# Altium PCB UmTRXv21.PcbDoc (part 15 of 19) (continued)
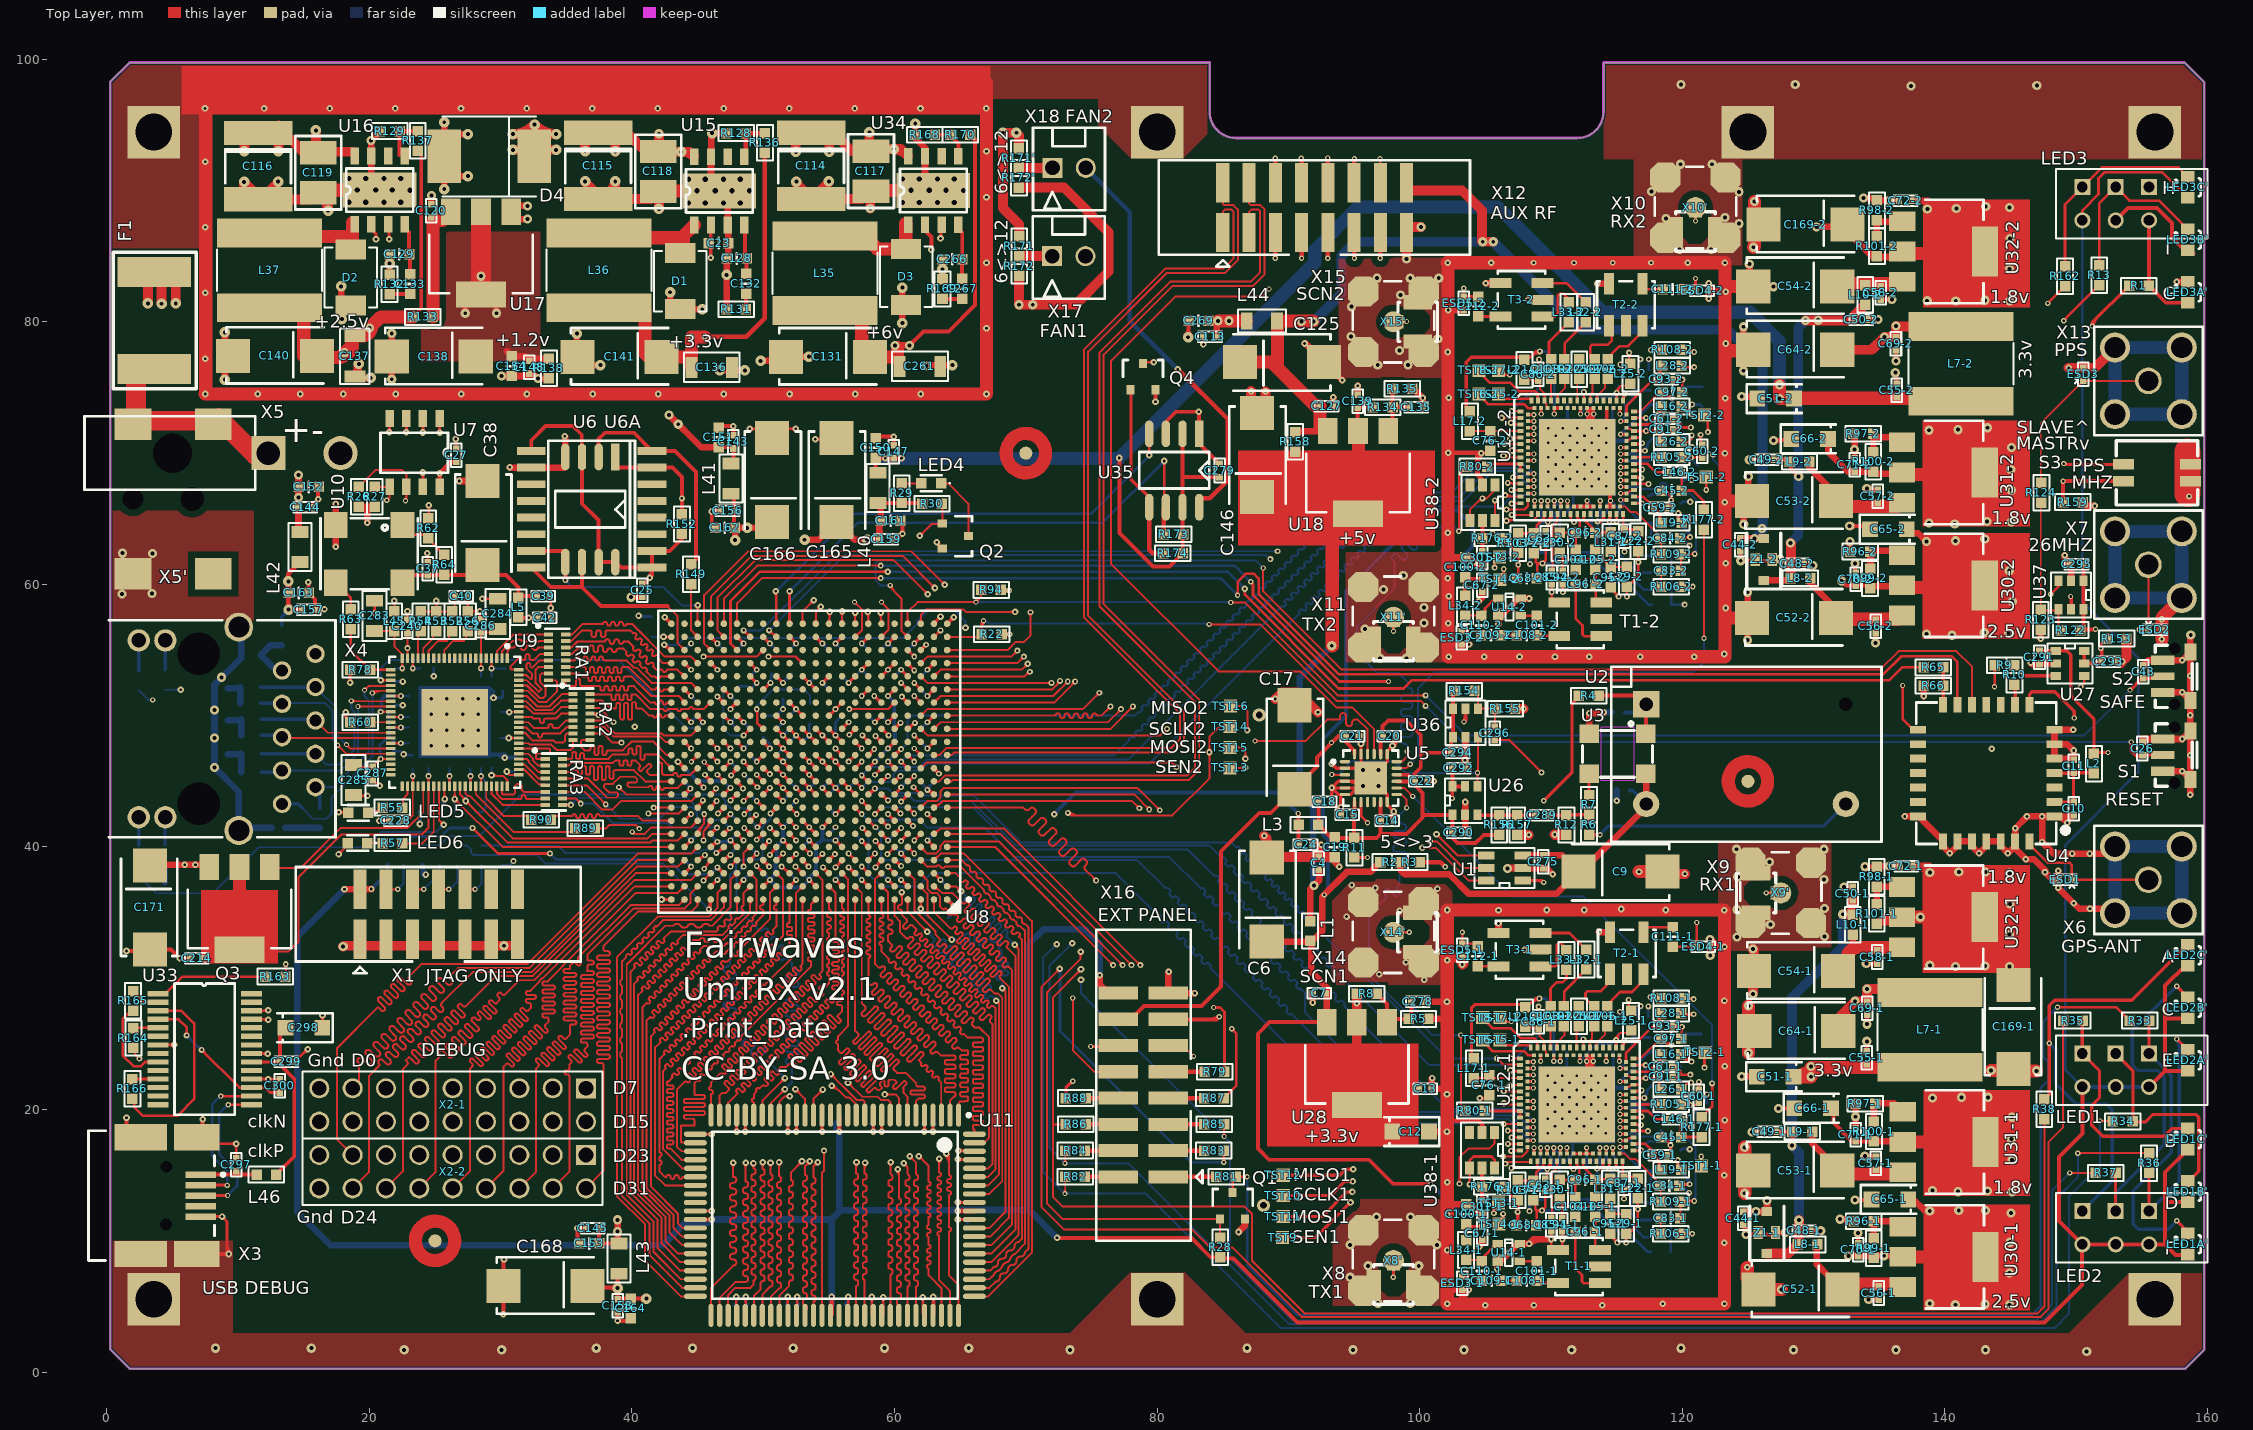
[diagram p0: Top Layer view]
## Nets (pads, with @x,y where several pads share a name; then routed paths per layer and width w, separated by ;. In a path a pad name is that pad's centre, name@x,y a point inside that pad or via, vN(x,y) a via of type N, cw(c..) or ccw(c..) an arc to the next point about the centre after c; other vN are vias at no path point) (continued)
RX1D11: U8.N7 U12-1.2 | length 67
  Top Layer w0.15: v1@57.55,48.35 cw(c57.55,48.108) 57.721,48.279 ; v1(57.55,48.5) 57.5,48.5 57.55,48.45 U8.N7@58,48 ; v1@57.7,48.404 ccw(c58.114,48.643) U8.N7@58.03,48.172 ; v1@57.7,48.5 ccw(c58.182,48.5) U8.N7@57.841,48.159 ; 57.809,48.215 cw(c57.615,48.103) U8.N7@57.831,48.045 ; U8.N7@57.825,48 ccw(c57.403,48) 57.701,48.299 ccw(c58,48.597) U8.N7@58,48.175
  Top Layer w0.2: U12-1.2@108.207,23.638 v4@108.632,23.638 ; v4@108.586,23.567 ccw(c108.416,23.397) 108.416,23.638 ccw(c108.416,23.879) v4@108.586,23.709
  MidLayer1 w0.15: v1@57.55,48.35 cw(c57.55,48.108) 57.721,48.279 ; v1(57.55,48.5) 57.5,48.5 57.95,48.05 57.95,47.25 58.275,46.925 58.676,46.925 58.925,46.676 58.925,46.275 59.125,46.075 62.071,46.075 62.246,46.25 62.493,46.25 62.743,46.5 80.157,46.5 81.957,44.7 86.253,44.7 103.253,27.7 104.595,27.7 v4(108.657,23.638) ; v1@57.7,48.5 ccw(c58.182,48.5) 57.841,48.159 ; v4@108.532,23.638 ccw(c108.23,23.638) 108.444,23.851 ccw(c108.657,24.065) v4@108.657,23.763
RX1IQSEL: U8.J4 U12-1.16 | length 65.6
  Top Layer w0.15: v1(60.5,43.45) 60.5,43.5 U8.J4@61,44 ; v1@60.5,43.6 ccw(c60.5,43.841) 60.671,43.671 ; v1@60.644,43.537 cw(c61.179,43.228) U8.J4@61.04,43.83 ; v1@60.65,43.45 cw(c61.133,43.45) 60.791,43.791 ; 60.769,43.753 cw(c60.913,43.67) U8.J4@60.955,43.831 ; U8.J4@60.825,44 cw(c60.403,44) 60.701,43.701 cw(c61,43.403) U8.J4@61,43.825
  Top Layer w0.2: U12-1.16@108.207,20.138 v4@108.632,20.138 ; v4@108.586,20.067 ccw(c108.416,19.897) 108.416,20.138 ccw(c108.416,20.379) v4@108.586,20.209
  MidLayer1 w0.15: v1(60.5,43.45) 60.5,43.4 60.675,43.225 61.963,43.225 62.013,43.175 71.87,43.175 76.375,43.175 79.45,40.1 81.9,40.1 82.25,39.75 cw(c82.343,39.525) 82.568,39.432 ccw(c82.794,39.339) 82.886,39.114 cw(c82.979,38.888) 83.205,38.795 ccw(c83.43,38.703) 83.523,38.477 cw(c83.616,38.252) 83.841,38.159 ccw(c84.066,38.066) 84.159,37.841 cw(c84.252,37.615) 84.477,37.523 ccw(c84.703,37.43) 84.796,37.204 cw(c84.888,36.979) 85.114,36.886 ccw(c85.339,36.793) 85.432,36.568 cw(c85.525,36.343) 85.75,36.25 ccw(c85.976,36.157) 86.068,35.932 cw(c86.161,35.706) 86.387,35.613 ccw(c86.612,35.521) 86.705,35.295 cw(c86.798,35.07) 87.023,34.977 ccw(c87.248,34.884) 87.341,34.659 cw(c87.434,34.433) 87.659,34.341 ccw(c87.885,34.248) 87.978,34.022 cw(c88.07,33.797) 88.296,33.704 ccw(c88.521,33.611) 88.614,33.386 cw(c88.707,33.161) 88.932,33.068 ccw(c89.158,32.975) 89.25,32.75 cw(c89.343,32.524) 89.569,32.431 ccw(c89.794,32.339) 89.887,32.113 cw(c89.98,31.888) 90.205,31.795 102.699,19.301 107.016,19.301 107.853,20.138 v4(108.657,20.138) ; v4@108.569,20.05 ccw(c108.355,19.836) 108.355,20.138 ccw(c108.355,20.44) v4@108.569,20.226
RX2D0: U8.T2 U12-2.15 | length 66.5
  Top Layer w0.15: U8.T2@63,51 63.5,51.5 72.1,51.5 73.2,52.6 v1(73.192,52.608) ; U8.T2@63,51.175 ccw(c63,51.597) 63.299,51.299 ccw(c63.597,51) U8.T2@63.175,51 ; 72.925,52.325 ccw(c72.642,52.608) v1@73.042,52.608 ; 72.963,52.363 cw(c73.192,52.134) v1@73.192,52.458 ; v2(106.38,69.803) 106.504,69.68 U12-2.15@107.671,69.68 ; v2@106.398,69.821 ccw(c106.739,70.162) 106.739,69.68 ; v2@106.504,69.927 ccw(c107.101,70.524) 107.101,69.68
  MidLayer1 w0.15: v1(73.192,52.608) v1@73.2,52.6 ; v1@73.192,52.758 ccw(c73.192,52.916) 73.304,52.804 ; v1@73.2,52.6 73.15,52.65 73.5,53 74.4,53 76.01,54.61 ccw(c75.96,54.659) 76.01,54.709 cw(c76.137,54.836) 76.01,54.963 76.073,55.027 cw(c76.201,54.9) 76.328,55.027 76.377,54.977 76.427,54.928 ccw(c76.554,55.055) 76.681,54.928 76.745,54.991 ccw(c76.618,55.119) 76.745,55.246 76.646,55.345 cw(c76.773,55.472) 76.646,55.6 76.71,55.663 cw(c76.837,55.536) 76.964,55.663 77.063,55.564 ccw(c77.19,55.691) 77.318,55.564 77.381,55.628 ccw(c77.254,55.755) 77.381,55.882 77.282,55.981 cw(c77.41,56.109) 77.282,56.236 77.346,56.3 cw(c77.473,56.172) 77.601,56.3 77.7,56.201 ccw(c77.827,56.328) 77.954,56.201 78.018,56.264 ccw(c77.891,56.392) 78.018,56.519 77.968,56.568 77.919,56.618 cw(c78.046,56.745) 77.919,56.872 77.982,56.936 cw(c78.11,56.809) 78.237,56.936 78.336,56.837 ccw(c78.463,56.964) 78.591,56.837 78.654,56.901 ccw(c78.527,57.028) 78.654,57.155 78.605,57.205 78.555,57.254 cw(c78.682,57.381) 78.555,57.509 78.619,57.572 cw(c78.746,57.445) 78.873,57.572 78.972,57.473 ccw(c79.1,57.601) 79.227,57.473 79.291,57.537 ccw(c79.163,57.664) 79.291,57.792 79.192,57.891 cw(c79.319,58.018) 79.192,58.145 79.255,58.209 cw(c79.382,58.081) 79.51,58.209 79.609,58.11 ccw(c79.736,58.237) 79.863,58.11 79.927,58.173 ccw(c79.8,58.301) 79.927,58.428 79.828,58.527 cw(c79.955,58.654) 79.828,58.782 79.892,58.845 cw(c80.019,58.718) 80.146,58.845 80.196,58.796 80.245,58.746 ccw(c80.372,58.873) 80.5,58.746 80.563,58.81 ccw(c80.436,58.937) 80.563,59.064 80.464,59.163 cw(c80.592,59.291) 80.464,59.418 80.528,59.482 cw(c80.655,59.354) 80.783,59.482 80.832,59.432 80.882,59.383 ccw(c81.009,59.51) 81.136,59.383 81.2,59.446 ccw(c81.072,59.573) 81.2,59.701 81.101,59.8 cw(c81.228,59.927) 81.101,60.054 81.164,60.118 cw(c81.292,59.991) 81.419,60.118 81.518,60.019 ccw(c81.645,60.146) 81.773,60.019 81.836,60.083 ccw(c81.709,60.21) 81.836,60.337 81.737,60.436 cw(c81.864,60.563) 81.737,60.691 81.801,60.754 cw(c81.928,60.627) 82.055,60.754 82.154,60.655 ccw(c82.282,60.783) 82.409,60.655 82.473,60.719 ccw(c82.345,60.846) 82.473,60.974 82.423,61.023 82.374,61.073 cw(c82.501,61.2) 82.374,61.327 82.437,61.391 cw(c82.564,61.263) 82.692,61.391 82.791,61.292 ccw(c82.918,61.419) 83.045,61.292 83.109,61.355 ccw(c82.982,61.483) 83.109,61.61 83.059,61.659 83.01,61.709 cw(c83.137,61.836) 83.01,61.963 83.074,62.027 cw(c83.201,61.9) 83.328,62.027 83.427,61.928 ccw(c83.554,62.055) 83.682,61.928 83.745,61.992 ccw(c83.618,62.119) 83.745,62.246 83.646,62.345 cw(c83.774,62.473) 83.646,62.6 83.71,62.664 cw(c83.837,62.536) 83.965,62.664 84.064,62.565 ccw(c84.191,62.692) 84.318,62.565 84.382,62.628 ccw(c84.254,62.755) 84.382,62.883 84.283,62.982 cw(c84.41,63.109) 84.283,63.236 84.346,63.3 cw(c84.474,63.173) 84.601,63.3 84.65,63.25 84.7,63.201 ccw(c84.827,63.328) 84.954,63.201 85.018,63.265 ccw(c84.891,63.392) 85.018,63.519 cw(c85.068,63.569) 85.018,63.618 85.237,63.837 cw(c85.287,63.788) 85.336,63.837 ccw(c85.464,63.965) 85.591,63.837 85.655,63.901 ccw(c85.527,64.028) 85.655,64.156 85.625,64.185 cw(c85.645,64.205) 85.625,64.225 91.512,70.112 100.663,70.112 101.225,69.55 105.616,69.55 105.816,69.75 106.327,69.75 v2(106.38,69.803) ; v1@73.342,52.61 cw(c73.881,52.619) 73.5,53 ; 105.829,69.75 ccw(c105.829,70.355) v2@106.256,69.927 ; 106.087,69.75 cw(c106.087,69.51) v2@106.256,69.68
RX2D1: U8.T3 U12-2.14 | length 65.7
  Top Layer w0.15: v1@61.5,51.35 cw(c61.5,50.988) 61.756,51.244 cw(c62.012,51.5) v1@61.65,51.5 ; v1(61.5,51.5) U8.T3@62,51 ; U8.T3@61.825,51 ccw(c61.403,51) 61.701,51.299 ccw(c62,51.597) U8.T3@62,51.175
  Top Layer w0.2: U12-2.14@108.246,69.93 v4@108.671,69.93 ; v4@108.625,69.859 ccw(c108.455,69.688) 108.455,69.93 ccw(c108.455,70.171) v4@108.625,70.001
  MidLayer1 w0.15: v1@61.5,51.35 cw(c61.5,50.505) 62.097,51.103 ; 61.841,51.359 ccw(c61.5,51.017) v1(61.5,51.5) 61.7,51.5 62.15,51.05 73.5,51.05 74.2,51.75 74.211,51.75 75.861,53.4 77.15,53.4 77.424,53.674 77.417,53.681 cw(c77.516,53.78) 77.417,53.879 77.466,53.928 cw(c77.565,53.829) 77.664,53.928 77.671,53.921 77.678,53.914 ccw(c77.777,54.013) 77.876,53.914 77.926,53.964 ccw(c77.827,54.063) 77.926,54.162 77.919,54.169 77.912,54.176 cw(c78.011,54.275) 77.912,54.374 77.961,54.423 cw(c78.06,54.324) 78.159,54.423 78.166,54.416 78.173,54.409 ccw(c78.272,54.508) 78.371,54.409 78.421,54.459 ccw(c78.322,54.558) 78.421,54.657 78.414,54.664 78.407,54.671 cw(c78.506,54.77) 78.407,54.869 78.456,54.918 cw(c78.555,54.819) 78.654,54.918 78.661,54.911 78.668,54.904 ccw(c78.767,55.003) 78.866,54.904 78.916,54.954 ccw(c78.817,55.053) 78.916,55.152 78.909,55.159 78.902,55.166 cw(c79.001,55.265) 78.902,55.364 78.951,55.413 cw(c79.05,55.314) 79.149,55.413 79.163,55.399 ccw(c79.262,55.498) 79.361,55.399 79.411,55.449 ccw(c79.312,55.548) 79.411,55.647 79.404,55.654 79.397,55.661 cw(c79.496,55.76) 79.397,55.859 79.446,55.908 cw(c79.545,55.809) 79.644,55.908 79.651,55.901 79.658,55.894 ccw(c79.757,55.993) 79.856,55.894 79.906,55.944 ccw(c79.807,56.043) 79.906,56.142 79.899,56.149 79.892,56.156 cw(c79.991,56.255) 79.892,56.354 79.941,56.403 cw(c80.04,56.304) 80.139,56.403 80.146,56.396 80.153,56.389 ccw(c80.252,56.488) 80.351,56.389 80.401,56.439 ccw(c80.302,56.538) 80.401,56.637 80.394,56.644 80.387,56.651 cw(c80.486,56.75) 80.387,56.849 80.436,56.898 cw(c80.535,56.799) 80.634,56.898 80.641,56.891 80.648,56.884 ccw(c80.747,56.983) 80.846,56.884 80.896,56.933 ccw(c80.797,57.032) 80.896,57.131 80.889,57.139 80.881,57.146 cw(c80.98,57.245) 80.881,57.344 80.931,57.393 cw(c81.03,57.294) 81.129,57.393 81.136,57.386 81.143,57.379 ccw(c81.242,57.478) 81.341,57.379 81.391,57.428 ccw(c81.292,57.527) 81.391,57.626 81.376,57.641 cw(c81.475,57.74) 81.376,57.839 81.426,57.888 cw(c81.525,57.789) 81.624,57.888 81.631,57.881 81.638,57.874 ccw(c81.737,57.973) 81.836,57.874 81.886,57.923 ccw(c81.787,58.022) 81.886,58.121 81.879,58.129 81.871,58.136 cw(c81.97,58.235) 81.871,58.334 81.921,58.383 cw(c82.02,58.284) 82.119,58.383 82.126,58.376 82.133,58.369 ccw(c82.232,58.468) 82.331,58.369 82.381,58.418 ccw(c82.282,58.517) 82.381,58.616 82.373,58.623 82.366,58.631 cw(c82.465,58.73) 82.366,58.829 82.416,58.878 cw(c82.515,58.779) 82.614,58.878 82.621,58.871 82.628,58.864 ccw(c82.727,58.963) 82.826,58.864 82.876,58.913 ccw(c82.777,59.012) 82.876,59.111 82.868,59.118 82.861,59.126 cw(c82.96,59.225) 82.861,59.324 82.911,59.373 cw(c83.01,59.274) 83.109,59.373 83.116,59.366 83.123,59.359 ccw(c83.222,59.458) 83.321,59.359 83.371,59.408 ccw(c83.272,59.507) 83.371,59.606 83.363,59.613 83.356,59.621 cw(c83.455,59.719) 83.356,59.818 83.406,59.868 cw(c83.505,59.769) 83.604,59.868 83.618,59.854 ccw(c83.717,59.953) 83.816,59.854 83.865,59.903 ccw(c83.766,60.002) 83.865,60.101 83.858,60.108 83.851,60.115 cw(c83.95,60.214) 83.851,60.313 83.901,60.363 cw(c84,60.264) 84.099,60.363 84.106,60.356 84.113,60.349 ccw(c84.212,60.448) 84.311,60.349 84.36,60.398 ccw(c84.261,60.497) 84.36,60.596 84.353,60.603 84.346,60.61 cw(c84.445,60.709) 84.346,60.808 84.396,60.858 cw(c84.495,60.759) 84.594,60.858 84.601,60.851 84.608,60.844 ccw(c84.707,60.943) 84.806,60.844 84.855,60.893 ccw(c84.756,60.992) 84.855,61.091 84.848,61.098 84.841,61.105 cw(c84.94,61.204) 84.841,61.303 84.891,61.353 cw(c84.99,61.254) 85.089,61.353 85.096,61.346 85.103,61.339 ccw(c85.202,61.438) 85.301,61.339 85.35,61.388 ccw(c85.251,61.487) 85.35,61.586 85.343,61.593 85.336,61.6 cw(c85.435,61.699) 85.336,61.798 85.386,61.848 cw(c85.485,61.749) 85.584,61.848 85.591,61.841 85.598,61.834 ccw(c85.697,61.933) 85.796,61.834 85.845,61.883 ccw(c85.746,61.982) 85.845,62.081 85.755,62.171 92.384,68.8 106.108,68.8 106.186,68.878 106.986,68.878 108.038,69.93 v4(108.696,69.93) ; v4@108.608,69.841 ccw(c108.394,69.628) 108.394,69.93 ccw(c108.394,70.232) v4@108.608,70.018
RX2D2: U8.U1 U12-2.13 | length 66
  Top Layer w0.15: U8.U1@64,52 72.016,52 72.6,52.584 v1(72.6,52.65) ; U8.U1@64.124,51.876 cw(c64.422,51.578) 64.422,52 cw(c64.422,52.422) U8.U1@64.124,52.124 ; 72.297,52.282 ccw(c71.929,52.65) v1@72.45,52.65 ; 72.456,52.44 cw(c72.6,52.296) v1@72.6,52.5 ; v2(107,70.2) 107.02,70.18 U12-2.13@107.671,70.18 ; v2@107.124,70.076 cw(c107.374,69.826) 107.374,70.18 ; v2@107.124,70.324 ccw(c107.471,70.671) U12-2.13@107.471,70.18
  MidLayer1 w0.15: v1(72.6,52.65) 73.35,53.4 74,53.4 84.854,64.254 ccw(c85.013,64.413) 85.172,64.572 cw(c85.343,64.72) 85.491,64.891 ccw(c85.65,65.05) 85.809,65.209 cw(c85.979,65.357) 86.127,65.527 ccw(c86.286,65.686) 86.445,65.845 cw(c86.616,65.993) 86.763,66.163 ccw(c86.923,66.323) 87.082,66.482 cw(c87.252,66.629) 87.4,66.8 ccw(c87.559,66.959) 87.718,67.118 cw(c87.888,67.266) 88.036,67.436 ccw(c88.195,67.595) 88.354,67.754 cw(c88.525,67.902) 88.673,68.073 ccw(c88.832,68.232) 88.991,68.391 cw(c89.161,68.539) 89.309,68.709 ccw(c89.468,68.868) 89.627,69.027 cw(c89.798,69.175) 89.945,69.345 ccw(c90.105,69.505) 90.264,69.664 cw(c90.434,69.811) 90.582,69.982 91.2,70.6 91.65,70.6 ccw(c91.875,70.6) 92.1,70.6 cw(c92.325,70.6) 92.55,70.6 ccw(c92.775,70.6) 93,70.6 cw(c93.225,70.6) 93.45,70.6 ccw(c93.675,70.6) 93.9,70.6 cw(c94.125,70.6) 94.35,70.6 ccw(c94.575,70.6) 94.8,70.6 cw(c95.025,70.6) 95.25,70.6 ccw(c95.475,70.6) 95.7,70.6 cw(c95.925,70.6) 96.15,70.6 ccw(c96.375,70.6) 96.6,70.6 cw(c96.825,70.6) 97.05,70.6 ccw(c97.275,70.6) 97.5,70.6 cw(c97.725,70.6) 97.95,70.6 ccw(c98.175,70.6) 98.4,70.6 cw(c98.625,70.6) 98.85,70.6 ccw(c99.075,70.6) 99.3,70.6 cw(c99.525,70.6) 99.75,70.6 ccw(c99.975,70.6) 100.2,70.6 cw(c100.425,70.6) 100.65,70.6 ccw(c100.875,70.6) 101.1,70.6 cw(c101.325,70.6) 101.55,70.6 ccw(c101.775,70.6) 102,70.6 cw(c102.225,70.6) 102.45,70.6 ccw(c102.675,70.6) 102.9,70.6 cw(c103.125,70.6) 103.35,70.6 ccw(c103.575,70.6) 103.8,70.6 104.05,70.6 104.2,70.45 105.83,70.45 106.052,70.228 106.972,70.228 v2(107,70.2) ; v1@72.6,52.8 ccw(c72.6,53.162) 72.856,52.906 ccw(c73.112,52.65) v1@72.75,52.65 ; 106.509,70.228 cw(c106.509,69.709) v2@106.876,70.076 ; 106.646,70.228 ccw(c106.646,70.554) v2@106.876,70.324
RX2D3: U8.T4 U12-2.10 | length 67.1
  Top Layer w0.15: v1@60.55,51.3 cw(c60.55,50.938) 60.806,51.194 cw(c61.062,51.45) v1@60.7,51.45 ; v1(60.55,51.45) U8.T4@61,51 ; v1@60.608,51.308 cw(c60.387,50.925) U8.T4@60.826,50.979 ; v1@60.692,51.392 ccw(c61.075,51.613) U8.T4@61.021,51.174 ; 60.771,51.214 cw(c60.701,51.095) U8.T4@60.833,51.053 ; 60.786,51.229 ccw(c60.905,51.299) U8.T4@60.947,51.167 ; U8.T4@60.825,51 ccw(c60.403,51) 60.701,51.299 ccw(c61,51.597) U8.T4@61,51.175 ; 60.813,51.182 cw(c60.657,51.092) 60.831,51.045 ccw(c60.657,51.092) 60.813,51.182 ; 60.818,51.187 ccw(c60.908,51.343) 60.955,51.169 cw(c60.908,51.343) 60.818,51.187
  Top Layer w0.2: U12-2.10@108.246,70.93 v4@108.671,70.93 ; v4@108.625,70.859 ccw(c108.455,70.688) 108.455,70.93 ccw(c108.455,71.171) v4@108.625,71.001
  MidLayer1 w0.15: v1(60.55,51.45) 61.1,52 64.605,52 cw(c64.605,51.93) 64.675,51.93 ccw(c64.855,51.93) 64.855,51.75 64.945,51.75 ccw(c64.945,51.93) 65.125,51.93 65.125,52.07 cw(c65.305,52.07) 65.305,52.25 65.395,52.25 cw(c65.395,52.07) 65.575,52.07 65.575,51.93 ccw(c65.755,51.93) 65.755,51.75 65.845,51.75 ccw(c65.845,51.93) 66.025,51.93 66.025,52.07 cw(c66.205,52.07) 66.205,52.25 66.295,52.25 cw(c66.295,52.07) 66.475,52.07 66.475,51.93 ccw(c66.655,51.93) 66.655,51.75 66.745,51.75 ccw(c66.745,51.93) 66.925,51.93 66.925,52.07 cw(c67.105,52.07) 67.105,52.25 67.195,52.25 cw(c67.195,52.07) 67.375,52.07 67.375,51.93 ccw(c67.555,51.93) 67.555,51.75 67.645,51.75 ccw(c67.645,51.93) 67.825,51.93 67.825,52.07 cw(c68.005,52.07) 68.005,52.25 68.095,52.25 cw(c68.095,52.07) 68.275,52.07 68.275,51.93 ccw(c68.455,51.93) 68.455,51.75 68.545,51.75 ccw(c68.545,51.93) 68.725,51.93 68.725,52.07 cw(c68.905,52.07) 68.905,52.25 68.995,52.25 cw(c68.995,52.07) 69.175,52.07 69.175,51.93 ccw(c69.355,51.93) 69.355,51.75 69.445,51.75 ccw(c69.445,51.93) 69.625,51.93 69.625,52.07 cw(c69.805,52.07) 69.805,52.25 69.895,52.25 cw(c69.895,52.07) 70.075,52.07 70.075,51.93 ccw(c70.255,51.93) 70.255,51.75 70.345,51.75 ccw(c70.345,51.93) 70.525,51.93 70.525,52.07 cw(c70.705,52.07) 70.705,52.25 70.795,52.25 cw(c70.795,52.07) 70.975,52.07 70.975,51.93 ccw(c71.155,51.93) 71.155,51.75 71.245,51.75 ccw(c71.245,51.93) 71.425,51.93 cw(c71.495,51.93) 71.495,52 71.805,52 cw(c71.805,51.93) 71.875,51.93 ccw(c72.055,51.93) 72.055,51.75 72.145,51.75 ccw(c72.145,51.93) 72.325,51.93 cw(c72.395,51.93) 72.395,52 74.107,52 75.857,53.75 76.6,53.75 86.15,63.3 86.531,63.3 92.281,69.05 106.004,69.05 106.082,69.128 106.883,69.128 107.934,70.18 107.946,70.18 108.321,70.555 ; v1@60.55,51.6 ccw(c60.55,51.962) 60.806,51.706 ccw(c61.062,51.45) v1@60.7,51.45 ; 108.321,70.585 108.666,70.93 v4(108.696,70.93) ; 108.431,70.695 cw(c108.696,70.43) v4@108.696,70.805 ; 108.504,70.768 ccw(c108.342,70.93) v4@108.571,70.93
RX2D4: U8.V3 U12-2.11 | length 65.8
  Top Layer w0.15: U8.V3@62,52.825 cw(c62,52.403) 62.299,52.701 cw(c62.597,53) U8.V3@62.175,53 ; U8.V3@62,53 62.5,52.5 v1(71.95,52.5) ; v1@71.844,52.394 ccw(c71.588,52.138) 71.588,52.5 ccw(c71.588,52.862) v1@71.844,52.606 ; v2(106.45,70.7) 106.475,70.675 107.666,70.675 U12-2.11@107.671,70.68
  MidLayer1 w0.15: v1(71.95,52.5) 71.95,52.566 73.234,53.85 73.8,53.85 75.105,55.155 ccw(c75.006,55.254) 75.105,55.353 74.991,55.467 cw(c75.09,55.566) 74.991,55.665 75.041,55.715 cw(c75.14,55.616) 75.239,55.715 75.353,55.601 ccw(c75.452,55.7) 75.551,55.601 75.6,55.65 ccw(c75.501,55.749) 75.6,55.848 75.486,55.962 cw(c75.585,56.061) 75.486,56.16 75.536,56.21 cw(c75.635,56.111) 75.734,56.21 75.848,56.096 ccw(c75.947,56.195) 76.046,56.096 76.095,56.145 ccw(c75.996,56.244) 76.095,56.343 75.981,56.457 cw(c76.08,56.556) 75.981,56.655 76.031,56.705 cw(c76.13,56.606) 76.229,56.705 76.343,56.591 ccw(c76.442,56.69) 76.541,56.591 76.59,56.64 ccw(c76.491,56.739) 76.59,56.838 76.476,56.952 cw(c76.575,57.051) 76.476,57.15 76.526,57.2 cw(c76.625,57.101) 76.724,57.2 76.838,57.086 ccw(c76.937,57.185) 77.036,57.086 77.085,57.135 ccw(c76.986,57.234) 77.085,57.333 76.971,57.447 cw(c77.07,57.546) 76.971,57.645 77.021,57.695 cw(c77.12,57.596) 77.219,57.695 77.333,57.581 ccw(c77.432,57.68) 77.531,57.581 77.58,57.63 ccw(c77.481,57.729) 77.58,57.828 77.466,57.942 cw(c77.565,58.041) 77.466,58.14 77.516,58.189 cw(c77.615,58.09) 77.714,58.189 77.828,58.076 ccw(c77.927,58.175) 78.026,58.076 78.075,58.125 ccw(c77.976,58.224) 78.075,58.323 77.961,58.437 cw(c78.06,58.536) 77.961,58.635 78.011,58.684 cw(c78.11,58.585) 78.209,58.684 78.323,58.57 ccw(c78.421,58.669) 78.52,58.57 78.57,58.62 ccw(c78.471,58.719) 78.57,58.818 78.456,58.932 cw(c78.555,59.031) 78.456,59.13 78.506,59.179 cw(c78.605,59.08) 78.704,59.179 78.817,59.065 ccw(c78.916,59.164) 79.015,59.065 79.065,59.115 ccw(c78.966,59.214) 79.065,59.313 78.951,59.427 cw(c79.05,59.526) 78.951,59.625 79,59.674 cw(c79.099,59.575) 79.198,59.674 79.312,59.56 ccw(c79.411,59.659) 79.51,59.56 79.56,59.61 ccw(c79.461,59.709) 79.56,59.808 79.446,59.922 cw(c79.545,60.021) 79.446,60.12 79.495,60.169 cw(c79.594,60.07) 79.693,60.169 79.807,60.055 ccw(c79.906,60.154) 80.005,60.055 80.055,60.105 ccw(c79.956,60.204) 80.055,60.303 79.941,60.417 cw(c80.04,60.516) 79.941,60.615 79.99,60.664 cw(c80.089,60.565) 80.188,60.664 80.302,60.55 ccw(c80.401,60.649) 80.5,60.55 80.55,60.6 ccw(c80.451,60.699) 80.55,60.798 80.436,60.912 cw(c80.535,61.011) 80.436,61.11 80.485,61.159 cw(c80.584,61.06) 80.683,61.159 80.797,61.045 ccw(c80.896,61.144) 80.995,61.045 81.045,61.095 ccw(c80.946,61.194) 81.045,61.293 80.931,61.407 cw(c81.03,61.506) 80.931,61.605 80.98,61.654 cw(c81.079,61.555) 81.178,61.654 81.292,61.54 ccw(c81.391,61.639) 81.49,61.54 81.54,61.59 ccw(c81.441,61.689) 81.54,61.788 81.426,61.902 cw(c81.525,62.001) 81.426,62.1 81.475,62.149 cw(c81.574,62.05) 81.673,62.149 81.787,62.035 ccw(c81.886,62.134) 81.985,62.035 82.035,62.085 ccw(c81.936,62.184) 82.035,62.283 81.991,62.327 cw(c82.09,62.426) 81.991,62.525 82.04,62.574 cw(c82.139,62.475) 82.238,62.574 82.282,62.53 ccw(c82.381,62.629) 82.48,62.53 91.15,71.2 104.05,71.2 104.55,70.7 v2(106.45,70.7) ; v1@71.95,52.65 ccw(c71.95,52.854) 72.094,52.71 ; v1@72.1,52.5 cw(c72.621,52.5) 72.253,52.868 ; v2@106.326,70.576 ccw(c106.028,70.278) 106.028,70.7 ccw(c106.028,71.122) v2@106.326,70.824
RX2D5: U8.T1 U12-2.8 | length 65.4
  Top Layer w0.15: U8.T1@64,51 72.15,51 v1(73.75,52.6) ; U8.T1@64.124,50.876 cw(c64.422,50.578) 64.422,51 cw(c64.422,51.422) U8.T1@64.124,51.124 ; v1@73.6,52.6 cw(c73.238,52.6) 73.494,52.344 cw(c73.75,52.088) v1@73.75,52.45
  Top Layer w0.2: U12-2.8@108.246,71.43 v4@108.671,71.43 ; v4@108.625,71.359 ccw(c108.455,71.188) 108.455,71.43 ccw(c108.455,71.671) v4@108.625,71.501
  MidLayer1 w0.15: v1(73.75,52.6) 74.353,52.6 75.904,54.15 76.5,54.15 86.106,63.756 cw(c86.184,63.678) 86.262,63.756 ccw(c86.361,63.855) 86.46,63.756 86.509,63.806 ccw(c86.41,63.905) 86.509,64.004 86.432,64.082 86.354,64.159 cw(c86.453,64.258) 86.354,64.357 86.403,64.407 cw(c86.502,64.308) 86.601,64.407 86.757,64.251 ccw(c86.856,64.35) 86.955,64.251 87.004,64.301 ccw(c86.905,64.4) 87.004,64.499 86.849,64.654 cw(c86.948,64.753) 86.849,64.852 86.898,64.902 cw(c86.997,64.803) 87.096,64.902 87.174,64.824 87.252,64.746 ccw(c87.351,64.845) 87.45,64.746 87.499,64.796 ccw(c87.4,64.895) 87.499,64.994 87.421,65.071 87.344,65.149 cw(c87.443,65.248) 87.344,65.347 87.393,65.397 cw(c87.492,65.298) 87.591,65.397 87.669,65.319 87.747,65.241 ccw(c87.846,65.34) 87.945,65.241 87.994,65.291 ccw(c87.895,65.39) 87.994,65.489 87.839,65.644 cw(c87.938,65.743) 87.839,65.842 87.888,65.892 cw(c87.987,65.793) 88.086,65.892 88.164,65.814 88.242,65.736 ccw(c88.341,65.835) 88.44,65.736 88.489,65.786 ccw(c88.39,65.885) 88.489,65.984 88.411,66.061 88.334,66.139 cw(c88.433,66.238) 88.334,66.337 88.383,66.387 cw(c88.482,66.288) 88.581,66.387 88.659,66.309 88.737,66.231 ccw(c88.836,66.33) 88.935,66.231 88.984,66.281 ccw(c88.885,66.38) 88.984,66.479 88.829,66.634 cw(c88.928,66.733) 88.829,66.832 88.878,66.882 cw(c88.977,66.783) 89.076,66.882 89.232,66.726 ccw(c89.331,66.825) 89.43,66.726 89.479,66.776 ccw(c89.38,66.875) 89.479,66.974 89.401,67.051 89.324,67.129 cw(c89.423,67.228) 89.324,67.327 89.373,67.377 cw(c89.472,67.278) 89.571,67.377 89.649,67.299 89.727,67.221 ccw(c89.826,67.32) 89.925,67.221 89.974,67.271 ccw(c89.875,67.37) 89.974,67.469 89.896,67.546 89.819,67.624 cw(c89.918,67.723) 89.819,67.822 89.868,67.872 cw(c89.967,67.773) 90.066,67.872 90.222,67.716 ccw(c90.321,67.815) 90.42,67.716 90.469,67.766 ccw(c90.37,67.865) 90.469,67.964 90.391,68.041 90.314,68.119 cw(c90.413,68.218) 90.314,68.317 90.363,68.367 cw(c90.462,68.268) 90.561,68.367 90.639,68.289 90.717,68.211 ccw(c90.816,68.31) 90.915,68.211 90.964,68.261 ccw(c90.865,68.36) 90.964,68.459 90.886,68.536 90.809,68.614 cw(c90.908,68.713) 90.809,68.812 90.858,68.862 cw(c90.957,68.763) 91.056,68.862 91.134,68.784 91.212,68.706 ccw(c91.311,68.805) 91.41,68.706 91.459,68.756 ccw(c91.36,68.855) 91.459,68.954 91.304,69.109 cw(c91.402,69.208) 91.304,69.307 91.353,69.357 cw(c91.452,69.258) 91.551,69.357 91.629,69.279 91.707,69.201 ccw(c91.806,69.3) 91.905,69.201 91.954,69.25 ccw(c91.855,69.349) 91.954,69.448 cw(c92.032,69.526) 91.954,69.604 92.15,69.8 100.35,69.8 100.85,69.3 105.901,69.3 105.979,69.378 106.779,69.378 107.425,70.024 107.425,70.189 108.666,71.43 v4(108.696,71.43) ; v1@73.856,52.494 cw(c74.112,52.238) 74.112,52.6 cw(c74.112,52.962) v1@73.856,52.706 ; 108.431,71.195 cw(c108.696,70.93) v4@108.696,71.305 ; 108.504,71.268 ccw(c108.342,71.43) v4@108.571,71.43
RX2D6: U8.U3 U12-2.9 | length 65.4
  Top Layer w0.15: v1@61.5,52.35 cw(c61.5,51.988) 61.756,52.244 cw(c62.012,52.5) v1@61.65,52.5 ; v1(61.5,52.5) U8.U3@62,52 ; U8.U3@61.825,52 ccw(c61.403,52) 61.701,52.299 ccw(c62,52.597) U8.U3@62,52.175 ; v2(106.9,71.1) 106.85,71.05 106.85,71 107.03,71.18 U12-2.9@107.671,71.18 ; v2@106.918,71.082 cw(c107.153,70.847) 107.153,71.18 ; v2@107.024,70.976 cw(c107.515,70.484) U12-2.9@107.515,71.18
  MidLayer1 w0.15: v1(61.5,52.5) 71.4,52.5 71.55,52.65 71.55,52.666 81.534,62.65 81.75,62.65 81.949,62.849 ccw(c81.899,62.898) 81.949,62.948 cw(c82.076,63.075) 81.949,63.203 82.013,63.266 cw(c82.14,63.139) 82.267,63.266 82.366,63.167 ccw(c82.493,63.294) 82.621,63.167 82.684,63.231 ccw(c82.557,63.358) 82.684,63.485 82.585,63.584 cw(c82.713,63.712) 82.585,63.839 82.649,63.903 cw(c82.776,63.775) 82.904,63.903 82.953,63.853 83.003,63.804 ccw(c83.13,63.931) 83.257,63.804 83.321,63.867 ccw(c83.193,63.994) 83.321,64.122 83.222,64.221 cw(c83.349,64.348) 83.222,64.475 83.285,64.539 cw(c83.413,64.412) 83.54,64.539 83.589,64.489 83.639,64.44 ccw(c83.766,64.567) 83.894,64.44 83.957,64.504 ccw(c83.83,64.631) 83.957,64.758 83.858,64.857 cw(c83.985,64.984) 83.858,65.112 83.922,65.175 cw(c84.049,65.048) 84.176,65.175 84.275,65.076 ccw(c84.403,65.204) 84.53,65.076 84.594,65.14 ccw(c84.466,65.267) 84.594,65.395 84.495,65.494 cw(c84.622,65.621) 84.495,65.748 84.558,65.812 cw(c84.685,65.684) 84.813,65.812 84.912,65.713 ccw(c85.039,65.84) 85.166,65.713 85.23,65.776 ccw(c85.103,65.904) 85.23,66.031 85.18,66.08 85.131,66.13 cw(c85.258,66.257) 85.131,66.384 85.195,66.448 cw(c85.322,66.321) 85.449,66.448 85.548,66.349 ccw(c85.675,66.476) 85.803,66.349 85.866,66.413 ccw(c85.739,66.54) 85.866,66.667 85.817,66.717 85.767,66.766 cw(c85.895,66.894) 85.767,67.021 85.831,67.085 cw(c85.958,66.957) 86.086,67.085 86.185,66.986 ccw(c86.312,67.113) 86.439,66.986 86.503,67.049 ccw(c86.375,67.176) 86.503,67.304 86.404,67.403 cw(c86.531,67.53) 86.404,67.657 86.467,67.721 cw(c86.595,67.594) 86.722,67.721 86.821,67.622 ccw(c86.948,67.749) 87.075,67.622 87.139,67.686 ccw(c87.012,67.813) 87.139,67.94 87.04,68.039 cw(c87.167,68.166) 87.04,68.294 87.104,68.357 cw(c87.231,68.23) 87.358,68.357 87.408,68.308 87.457,68.258 ccw(c87.585,68.386) 87.712,68.258 87.776,68.322 ccw(c87.648,68.449) 87.776,68.577 87.677,68.676 cw(c87.804,68.803) 87.677,68.93 87.74,68.994 cw(c87.867,68.866) 87.995,68.994 88.044,68.944 88.094,68.895 ccw(c88.221,69.022) 88.348,68.895 88.412,68.958 ccw(c88.285,69.086) 88.412,69.213 88.362,69.262 89.039,69.939 ccw(c89.18,70.08) 89.322,69.939 89.428,70.045 ccw(c89.286,70.186) 89.428,70.328 cw(c89.569,70.469) 89.428,70.611 89.534,70.717 cw(c89.675,70.575) 89.817,70.717 ccw(c89.958,70.858) 90.099,70.717 90.206,70.823 ccw(c90.064,70.964) 90.206,71.106 90.6,71.5 104.104,71.5 104.591,71.013 105.684,71.013 105.797,71.125 106.875,71.125 v2(106.9,71.1) ; v1@61.606,52.394 cw(c61.862,52.138) 61.862,52.5 cw(c61.862,52.862) v1@61.606,52.606
RX2D7: U8.U4 U12-2.6 | length 65.6
  Top Layer w0.15: v1@60.5,52.35 cw(c60.5,51.988) 60.756,52.244 cw(c61.012,52.5) v1@60.65,52.5 ; v1(60.5,52.5) U8.U4@61,52 ; U8.U4@60.825,52 ccw(c60.403,52) 60.701,52.299 ccw(c61,52.597) U8.U4@61,52.175
  Top Layer w0.2: U12-2.6@108.246,71.93 v4@108.671,71.93 ; v4@108.625,71.859 ccw(c108.455,71.688) 108.455,71.93 ccw(c108.455,72.171) v4@108.625,72.001
  MidLayer1 w0.15: v1(60.5,52.5) 60.9,52.9 65.805,52.9 ccw(c65.805,53.12) 66.025,53.12 66.025,53.715 cw(c66.245,53.715) 66.245,53.935 66.355,53.935 cw(c66.355,53.715) 66.575,53.715 66.575,53.12 ccw(c66.795,53.12) 66.795,52.9 66.905,52.9 ccw(c66.905,53.12) 67.125,53.12 67.125,53.715 cw(c67.345,53.715) 67.345,53.935 67.455,53.935 cw(c67.455,53.715) 67.675,53.715 67.675,53.12 ccw(c67.895,53.12) 67.895,52.9 68.005,52.9 ccw(c68.005,53.12) 68.225,53.12 68.225,53.715 cw(c68.445,53.715) 68.445,53.935 68.555,53.935 cw(c68.555,53.715) 68.775,53.715 68.775,53.12 ccw(c68.995,53.12) 68.995,52.9 71.15,52.9 90.05,71.8 104.413,71.8 104.95,71.263 105.534,71.263 105.834,71.563 107.285,71.563 107.652,71.93 v4(108.696,71.93) ; v1@60.5,52.65 ccw(c60.5,53.012) 60.756,52.756 ccw(c61.012,52.5) v1@60.65,52.5 ; v4@108.608,71.841 ccw(c108.394,71.628) 108.394,71.93 ccw(c108.394,72.232) v4@108.608,72.018